# Altium PCB universky2.PcbDoc (continued)
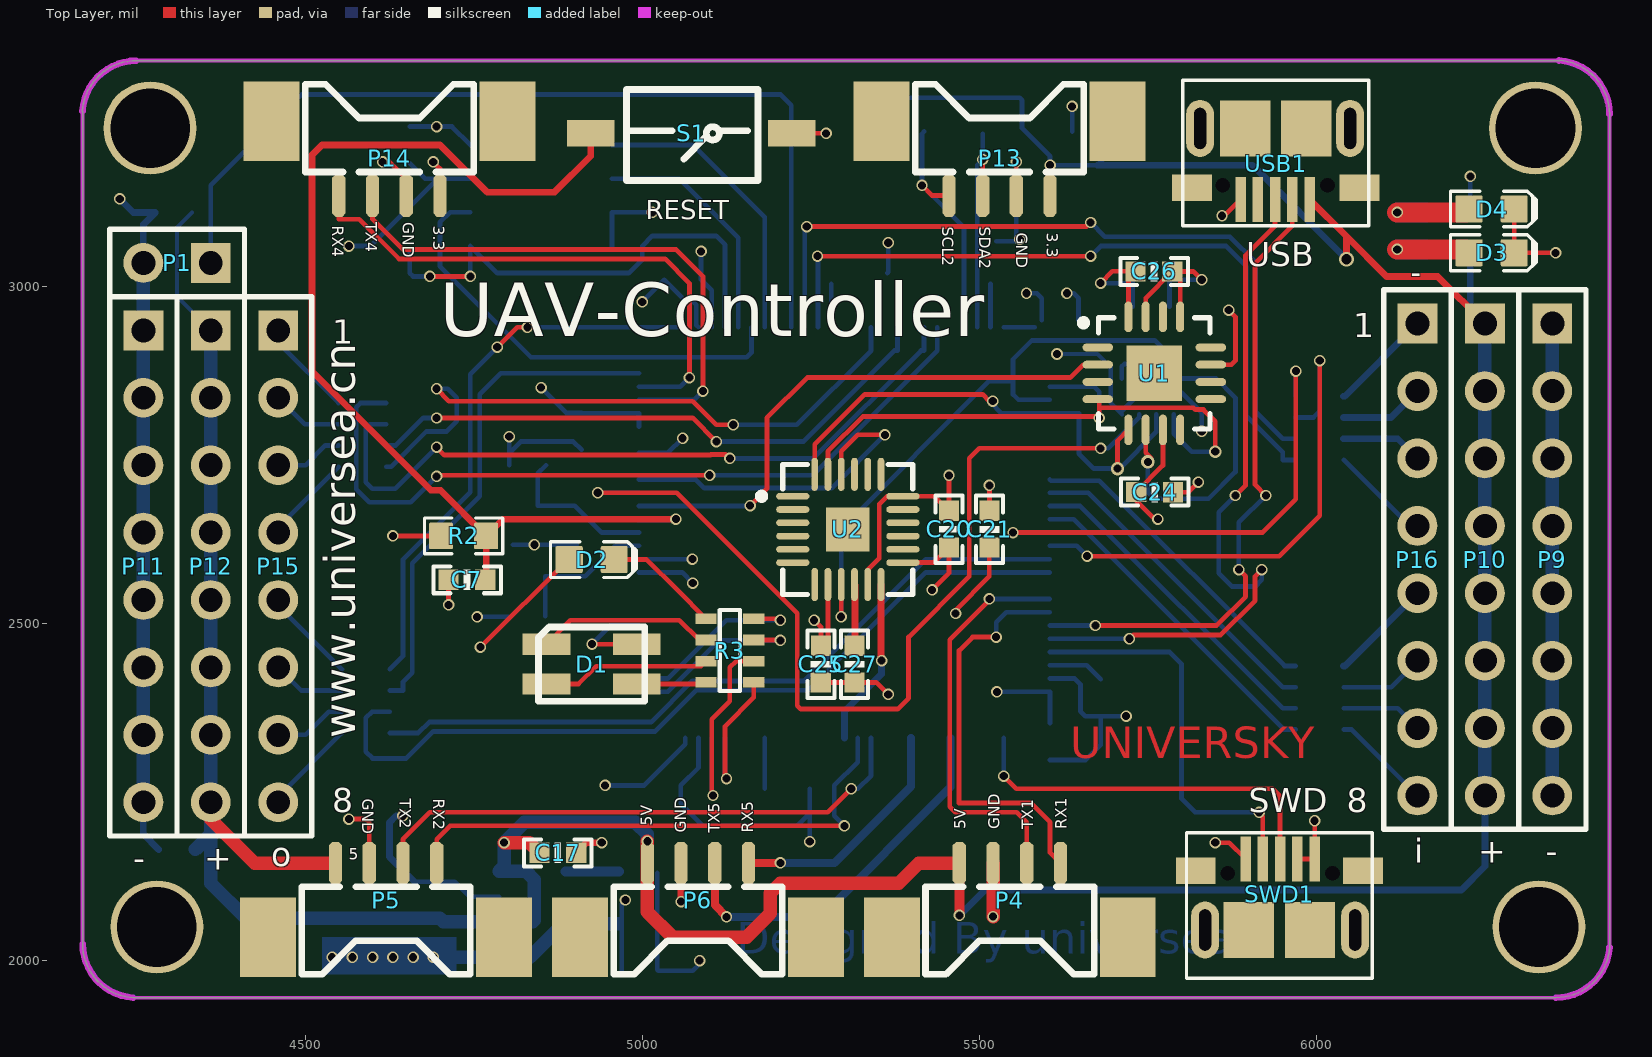
[diagram p0: Top Layer view]
## Footprints (in the part's own frame and the unit in brackets; to place one, negate y for a bottom-side part, rotate by r counter-clockwise, add the part's x,y. Pads: shape width x height; smd on the part's side, far side on the other; paste and mask are expansions set on the pad) (continued)
USB_M [mm]
  rect 1.7x0.4 smd: 1(4.085,-0.382) 2(4.085,-1.032) 3(4.085,-1.682) 4(4.085,-2.332) 5(4.085,-2.982)
  rect 2.1x1.9 smd: ""(1.409,-0.507) ""(1.409,-2.807)
  oval 2.15x1.05 hole 0.45 slot 1.55 at 0 deg: ""(1.409,1.143) ""(1.409,-4.507)
  rect 0x0 hole 0.55: ""(3.547,-3.657) ""(3.547,0.293)
  rect 1x1.5 smd: ""(3.647,-4.807) ""(3.647,1.493)
  silkscreen extent -0.4,-5.16 5.08,1.84
WDFN_8 [mm]
  rect 1.15x0.45 smd: 1(-2.667,1.651) 2(-2.667,0.381) 3(-2.667,-0.889) 4(-2.667,-2.159) 5(2.667,-2.159) 6(2.667,-0.889) 7(2.667,0.381) 8(2.667,1.651)
  rect 3.19x4.3 smd paste-1.595 mask+0: 9(0,-0.254)
  silkscreen extent -4.04,-3.07 3.56,2.49, body extent -2.92,-2.75 3.08,2.25, height 0.81
XTAL_3225 [mm]
  rrect50% 1x0.9 smd: 1(2.083,-0.051) 2(0,-0.025) 3(0,-1.727) 4(2.083,-1.727)
  silkscreen extent -0.84,-1.85 2.97,0.03

## Part data
B1: "MCU 32-Bit, ARM Cortex M4, 1MB Flash STMicroelectronics STM32F407VGT6, 32bit ARM Cortex M4F Microcontroller, 168MHz, 1024 kB Flash, 100-Pin LQFP"
B2: "LDO Regulator Pos 3.3V 0.5A MIC5219-3.3YM5 TR, Low Dropout Voltage Regulator, 0.5A, 3.3 V ??1%, 2.5 ??? 12 Vin, 5-Pin SOT-23"
C1 C2 C3 C4 C5 C6 C7 C8 C11 C12 C13 C14 C15 C16 C17 C18 C19 C20 C21 C22 C23 C24 C25 C26 C27 C28: "Capacitor"
C9 C10: library part CAP
D2 D3 D4: "Typical INFRARED GaAs LED"
P1: "Header, 2-Pin"
P2 P3 P7 P8 R3: library part "Header 4X2A", "Header, 4-Pin, Dual row"
P4 P5 P6 P13 P14: library part "Header 4", "Header, 4-Pin"
P9 P10 P11 P12 P15 P16: "Header, 8-Pin"
R1 R4 R5 R6 R7 R8 R9: "Resistor"
SWD1 USB1: "Header, 5-Pin"
Y1: "贴片有源晶振"

## Free pads (board coordinates)
  round 137.8 hole 118.11: 33(4270,3235) 33(4280,2050) 33(6325,3235) 33(6330,2050)

## Via types
v1: diameter 17, hole 12, Top Layer to Bottom Layer, 117 vias
v2: diameter 20, hole 12, Top Layer to Bottom Layer, 2 vias
v3: diameter 18, hole 12, Top Layer to Bottom Layer, 2 vias
v4: diameter 22, hole 15, Top Layer to Bottom Layer, 1 vias

## Nets (pads, with @x,y where several pads share a name; then routed paths per layer and width w, separated by ;. In a path a pad name is that pad's centre, name@x,y a point inside that pad or via, vN(x,y) a via of type N, cw(c..) or ccw(c..) an arc to the next point about the centre after c; other vN are vias at no path point)
3.3V: B1.6 B1.11 B1.19 B1.21 B1.22 B1.28 B1.50 B1.75 B1.100 B2.5 C2.2 C3.2 C4.2 C5.2 C6.2 C14.2 C15.2 C20.1 C21.1 C22.1 C23.1 C24.2 C25.2 C26.2 C28.1 D1.2 D2.1 P14.1 R2.2 R6.1 R9.2 SWD1.1 U1.7 U1.16 U2.8 U2.13 U3.6 U3.8 U4.3 U4.7 U4.8 | length 3216
  Top Layer w7: v1(4630,2630) R2.2 ; v1(4690,3185) 4700,3175 P14.1 ; v1(4760,2465) 4890,2595 D2.1 ; v1(4925.47,2469.53) D1.2 ; v1(5255,2505) 5265.03,2494.97 C25.2 ; C25.2@5275.47,2477.69 U2.8 ; U2.13 5432.69,2590.47 C20.1 5454.97,2574.97 v1(5430,2550) ; v1(5465,2515) 5465,2520 5514.97,2569.97 C21.1 ; v1(5680,3005) 5697.48,3022.48 C26.2 ; U1.16 C26.2@5721.17,3011.89 ; v1(5765,2655) 5760,2655 5732.75,2682.25 C24.2 5772.36,2734.64 U1.7 5772.36,2757.64 ; v1(5850,2175) 5870.85,2175 SWD1.1
  Bottom Layer w7: v1(4565,3060) 4596.54,3060 R9.2 4696.54,3160 ; C28.1 4677.78,3160 4696.54,3160 ; U4.3 4696.54,3160 ; v1(4850,2850) 4887.75,2812.25 C6.2 ; B2.5 C14.2@4966.93,2057.6 ; C6.2@4910.05,2812.17 B1.22 B1.21 ; v1(4925.47,2469.53) 4953.15,2497.2 B1.6 ; v1(4945,2260) C3.2 5063.78,2321 B1.100 ; U4.8 U4.7 v1(5015,3110) ; C15.2 C14.2 4969.56,2084.56 v1(4975,2090) ; B1.11 v1(5074.37,2595.63) ; B1.19 5038.11,2753.11 v1(5060,2775) ; v1(5087.25,3052.25) C4.2 5103.15,2994.13 B1.28 ; v1(5526.22,2398.78) B1.75 ; B1.50 C2.2@5582.43,2939.65 ; v1(5570,2990) 5585.5,2990 5592.75,2982.75 C2.2 ; C5.2 B1.75@5604.97,2398.46 ; v1(5680,3005) C22.1@5717.78,3005 ; U3.8 5711.49,2881.49 5715,2885 5760,2885 5762.67,2882.33 U3.6 5762.67,2857.33 5776.76,2843.24 5799.51,2843.24 5830,2812.75 v1(5830,2785) ; C23.1 C22.1 ; R6.1 v1(6228.46,3163.46)
  Bottom Layer w20: v1(4660,2005) 4833.43,2005 B2.5
  other v1: 4540,2005 4570,2005 4600,2005 4630,2005 4690,2005
5V: B2.1 B2.3 C12.2 C13.2 C16.1 C17.1 C18.1 C19.1 P4.1 P5.1 P6.1 P10.1 P10.2 P10.3 P10.4 P10.5 P10.6 P10.7 P10.8 P12.1 P12.2 P12.3 P12.4 P12.5 P12.6 P12.7 P12.8 P13.1 R5.1 R7.1 R8.1 USB1.1 | length 6048.1
  Top Layer w7: P13.1 v1(5605,3180)
  Top Layer w10: USB1.1 6044.58,3074.58 ; v4(6044.58,3040.42) 6044.58,3074.58 ; P10.1 6180,3015 6104.15,3015 6044.58,3074.58
  Top Layer w15: v1(5470.35,2067.1) P4.1
  Top Layer w20: P12.8 4360,2210 4425.31,2144.69 P5.1 ; v1(4795,2175) 4832.78,2175 C17.1 ; v1(5007.68,2177.18) P6.1 5007.68,2072.32 5045,2035 5155,2035 5190,2070 5190,2100 5205,2115 5380.62,2115 5410.31,2144.69 P4.1
  Bottom Layer w6: C16.1 4310,3087.78 4310,2985 P12.1
  Bottom Layer w7: R8.1 5351.54,3251.54 5380,3280 5560,3280 5563.46,3276.54 R7.1 5605,3193.46 v1(5605,3180) 5675,3180 5692.25,3197.25 C19.1
  Bottom Layer w10: v1(5470.35,2067.1) 5508.26,2105 6215,2105 6250,2140 P10.8 ; 5675,3180 5905,3180 v4(6044.58,3040.42) ; R5.1 6228.46,2951.54 P10.1@6250,2930
  Bottom Layer w20: C18.1 4360,2187.78 ; P12.1 P12.2 P12.3 P12.4 P12.5 P12.6 P12.7 P12.8 4360,2187.78 ; 4837.6,2057.6 B2.1 4705.15,2057.6 4700,2062.75 C12.2 4412.25,2062.75 4360,2115 4360,2187.78 ; 4840,2060 4840,2120 4827.6,2132.4 B2.3 4795,2139.8 v1(4795,2175) 4825,2205 4990,2205 5007.68,2187.32 v1(5007.68,2177.18) ; P10.8 P10.7 P10.6 P10.5 P10.4 P10.3 P10.2 P10.1@6250,2930
ADC_IN0/TIM5_CH1/USART4_TX: B1.23 P14.3 | length 830.3
  Top Layer w7: P14.3 4600,3100 4645,3055 5050,3055 5090,3015 v1(5090,2845)
  Bottom Layer w7: B1.23 5076.85,2831.85 v1(5090,2845)
ADC_IN1/TIM5_CH2/USART4_RX: B1.24 P14.4 | length 814.6
  Top Layer w7: P14.4 4550,3100 4580.2,3100 4639.2,3041 5034,3041 5070,3005 v1(5070,2865)
  Bottom Layer w7: B1.24 5056.54,2851.54 v1(5070,2865)
AGND: B1.20
BOOT0: B1.94 R1.1 | length 75
  Bottom Layer w7: R1.1@5181.89,2255.35 B1.94
BOOT1: B1.37 R4.2 | length 64.1
  Bottom Layer w7: B1.37 R4.2@5280.31,3003.78
DRDY: U1.10
GND: B1.10 B1.27 B1.74 B1.99 B2.2 C1.2 C2.1 C3.1 C4.1 C5.1 C6.1 C7.2 C8.1 C9.2 C10.1 C11.2 C12.1 C13.1 C14.1 C15.1 C16.2 C17.2 C18.2 C19.2 C20.2 C21.2 C22.2 C23.2 C24.1 C25.1 C26.1 C27.1 C28.2 D3.2 D4.2 P1.2 P4.2 P5.2 P6.2 P9.1 P9.2 P9.3 P9.4 P9.5 P9.6 P9.7 P9.8 P11.1 P11.2 P11.3 P11.4 P11.5 P11.6 P11.7 P11.8 P13.2 P14.2 R1.2 R4.1 S1.1 SWD1.4 SWD1.5 U1.11 U1.13 U1.15 U2.11 U2.18 U3.1 U3.7 U4.4 USB1.5 Y1.2 Y1.4 | length 6288.5
  Top Layer w7: v1(4565,2210) 4590,2210 4595,2205 P5.2 ; v1(4615,3185) 4625,3185 4650,3160 P14.2 ; v1(4712.75,2527.75) C7.2 ; S1.1 v1(5272.8,3227.2) ; C25.1 C27.1 5347.25,2412.75 v1(5365,2395) ; U2.11 5334.53,2579.8 5347.82,2593.1 5348.1,2593.1 5351.59,2596.59 5351.59,2677.26 5363.23,2688.9 U2.18 5433.38,2688.9 C20.2 v1(5455.03,2719.97) ; C21.2 v1(5515.03,2704.97) ; P13.2 v1(5555,3185) ; U1.15 5746.76,2982.92 C26.1 5817.59,3022.41 v1(5830,3010) ; C24.1 5809.97,2694.97 v1(5825,2710) ; U1.13 C26.1@5797.95,3010.73 ; U1.11 5874.03,2884.03 5880,2890 5880,2955 v1(5870,2965) ; v1(5860,3105) 5863.41,3105 USB1.5 ; SWD1.4 SWD1.5 v1(5997.4,2207.6) ; D4.2 D3.2 v1(6355,3050)
  Top Layer w10: C17.2 4917.28,2175 v1(4940,2175) ; v1(5057.68,2087.68) P6.2
  Top Layer w20: v1(5520.35,2065.35) P4.2
  Bottom Layer w6: v3(5615,2900) 5675,2900 5695,2880 5695,2826.93 U3.1
  Bottom Layer w7: C28.2 4717.75,3237.25 U4.4 ; C12.1 C13.1 4744.03,2095 B2.2 ; v1(4755.03,2509.97) C9.2 ; C10.1 4802.75,2752.75 ; v1(4802.75,2777.25) 4802.75,2752.75 ; Y1.2@4808.23,2617.02 Y1.4 ; C6.1 4897.78,2770 4820,2770 4802.75,2752.75 ; B1.10 5059.06,2575.94 v1(5075,2560) ; v1(5000,2977.22) C4.1 ; C11.2 5022.25,1986.84 C15.1 5074.97,1985.03 5085,1995.06 v1(5085,2000) ; C4.1@5030,3007.22 C4.1 ; B1.99 5083.46,2286.25 C3.1 5057.25,2232.75 5090,2200 5230,2200 5248.46,2218.46 ; B1.27 5080.19,2942.92 5080.19,2973.03 5074.03,2979.18 5063.54,2979.18 C4.1 ; v1(5248.46,2176.54) 5248.46,2218.46 ; R1.2 5248.46,2218.46 ; R4.1 5365,3021.54 v1(5365,3065) ; C8.1 5557.75,3067.25 5560,3069.5 v1(5560,3070) ; v1@5555,3070 v1(5555,3185) ; B1.74 5641.54,2418.46 5650,2410 5650,2370.03 5657.28,2362.75 C1.2 ; C5.1 5657.75,2297.75 5680.03,2320.03 C1.2 ; v1(5630,2990) 5640,2990 5647.25,2982.75 C2.1 ; C19.2 v1(5637.75,3267.25) ; U3.1@5711.49,2815.01 5737.08,2840.6 U3.7 ; v1(5717.75,2362.75) C1.2 ; U3.7@5737.08,2857.59 U3.7 ; U3.7@5737.08,2859.01 U3.7 ; C23.2 C22.2 C22.2@5787.28,3015.03 ; C22.2@5787.28,3010 v1(5830,3010) 5802.21,3010
  Bottom Layer w10: v1(4225,3130) 4245.03,3109.97 C16.2 4260,3092.22 P1.2 P1.2@4260,3025 ; P11.8 4260,2187.72 C18.2 ; P11.7 P11.6 P11.5 P11.4 P11.3 P11.2 P11.1 ; v1(4645,2215) 4635,2215 4625,2205 4625,2154.03 C12.1
  Bottom Layer w20: P11.8 P11.7 P11.6 P11.5 P11.4 P11.3 P11.2 P11.1 P1.2@4260,3025 ; P9.8 P9.7 P9.6 P9.5 P9.4 P9.3 P9.2 P9.1
  other v1: 4840,2617.02 4695,3237.25
I2C1_SCL: B1.92
I2C1_SDA: B1.93
MPU_INT: B1.88 U2.12 | length 250.7
  Top Layer w10: v1@5354.21,2445.79 U2.12
  Bottom Layer w10: B1.88 5300,2370 5355,2425 v1(5355,2445) v1@5354.21,2445.79
NetB1_14: B1.14 C7.1 R2.1 S1.2 | length 1595.2
  Top Layer w10: C7.1@4768.46,2566.18 R2.1 ; S1.2 4923.7,3193.7 4870,3140 4770,3140 4700,3210 4525,3210 4510,3195 4510,2874.34 4686.51,2697.83 4700.63,2697.83 R2.1 ; v1@5050,2654.69 4793.15,2654.69 R2.1
  Bottom Layer w10: B1.14 v1@5050,2654.69
  other v1: 5050,2655
NetB1_49: B1.49 C8.2 | length 64.6
  Bottom Layer w7: B1.49 C8.2@5516.54,3004.25
NetB1_73: B1.73 C1.1 | length 84
  Bottom Layer w7: B1.73 5659.07,2438.15 C1.1
NetB2_4: B2.4 C11.1 | length 79.3
  Bottom Layer w15: B2.4 C11.1@4965.32,2132.4
NetC27_2: C27.2 U2.10 | length 90.5
  Top Layer w10: U2.10 5315.66,2557.18 C27.2@5315.66,2467.88
NetD1_1: D1.1 R3.7 | length 263.3
  Top Layer w7: D1.1 4893.54,2505 5055,2505 5084.25,2475.75 R3.7
NetD1_3: D1.3 R3.6 | length 250.5
  Top Layer w7: D1.3 4905.47,2410.47 4931.72,2436.72 5087.03,2436.72 R3.6
NetD1_4: D1.4 R3.5 | length 103.6
  Top Layer w7: D1.4 5092.28,2410.47 R3.5
NetD2_2: D2.2 R3.8 | length 172.5
  Top Layer w7: D2.2 5006.81,2595 5051.81,2550 R3.8
NetD3_1: D3.1 R5.2 | length 143.1
  Top Layer w30: v1(6120,3055) D3.1@6221.54,3055
  Bottom Layer w30: v1(6120,3055) R5.2
NetD4_1: D4.1 R6.2 | length 143.1
  Top Layer w30: v1(6120,3110) D4.1@6221.54,3110
  Bottom Layer w30: v1(6120,3110) R6.2
OTG_FS_DM: B1.70 USB1.2 | length 947.5
  Top Layer w7: v1(5672.2,2497.2) 5852.2,2497.2 5895,2540 5895,2570 v1(5885,2580) ; v1(5925,2690) 5909,2706 5909,3034.63 5964.37,3090 USB1.2
  Bottom Layer w7: B1.70 v1(5672.2,2497.2) ; v1(5885,2580) 5885,2650 v1(5925,2690)
OTG_FS_DP: B1.71 USB1.3 | length 1058.1
  Top Layer w7: v1(5722.52,2477.52) 5728.2,2483.2 5858,2483.2 5909,2534.2 5909,2570 v1(5919,2580) ; v1(5880,2690) 5895,2705 5895,3046.22 5938.78,3090 USB1.3
  Bottom Layer w7: B1.71 v1(5722.52,2477.52) ; v1(5880,2690) 5855,2665 5855,2575 5875,2555 5909,2555 5919,2565 v1(5919,2580)
PA8: B1.67
PC3: B1.18
PC4: B1.33
PC5_POWER_INPUT: B1.34 P1.1 | length 1368
  Bottom Layer w7: P1.1 4360,3150 4495,3285 5205,3285 5221.26,3268.74 B1.34
PD8: B1.55
PD9: B1.56
PD10: B1.57
PD11: B1.58
PE0: B1.97 R3.1 | length 220.8
  Top Layer w7: v1@5122.83,2270 5122.83,2347.83 5165.43,2390.43 R3.1
  Bottom Layer w7: v1@5122.83,2270 B1.97
  other v1: 5125,2270
PE1: B1.98 R3.2 | length 325.7
  Top Layer w7: v1@5103.15,2245 5103.15,2358.15 5130,2385 5130,2435 5139.25,2444.25 R3.2
  Bottom Layer w7: v1@5103.15,2245 B1.98
  other v1: 5105,2245
PE2: B1.1 R3.3 | length 270
  Top Layer w7: R3.3 v1@5204.25,2475.75
  Bottom Layer w7: B1.1 5038.18,2398.78 5114.4,2475 5195,2475
  other v1: 5205,2475
PE3: B1.2 R3.4 | length 272.8
  Top Layer w7: R3.4 v1@5202.76,2507.24
  Bottom Layer w7: B1.2 5038.07,2418.46 5124.6,2505 5195,2505
  other v1: 5205,2505
PE4: B1.3
PE7: B1.38
PE8: B1.39
PE10: B1.41
PE12: B1.43
PH0_OSC_IN: B1.12 C9.1 Y1.1 | length 217
  Bottom Layer w7: C9.1@4856.31,2510.97 Y1.1 4915.35,2570.35 4960.32,2615.32 B1.12
PH1_OSC_OUT: B1.13 C10.2 Y1.3 | length 232
  Bottom Layer w7: C10.2 4845,2722.78 Y1.3 4900,2675 4940,2635 B1.13
PWMIN_1: P8.8 P16.1 | length 154.2
  Bottom Layer w10: P8.8 6042.24,2837.24 P16.1
PWMIN_2: P8.7 P16.2 | length 125.8
  Bottom Layer w10: P8.7 6110.75,2805.75 P16.2
PWMIN_3: P8.6 P16.3 | length 121.7
  Bottom Layer w10: P8.6 6120.75,2774.25 P16.3
PWMIN_4: P8.5 P16.4 | length 150.1
  Bottom Layer w7: P8.5 6138.19,2645 P16.4
PWMIN_5: P3.8 P16.5 | length 154.2
  Bottom Layer w10: P3.8 6042.24,2437.24 P16.5
PWMIN_6: P3.7 P16.6 | length 125.8
  Bottom Layer w7: P3.7 6110.75,2405.75 P16.6
PWMIN_7: P3.6 P16.7 | length 121.7
  Bottom Layer w7: P3.6 6120.75,2374.25 P16.7
PWMIN_8: P3.5 P16.8 | length 150.1
  Bottom Layer w7: P3.5 6052.24,2342.76 P16.8
PWMOUT_1: P2.5 P15.1 | length 144.9
  Bottom Layer w7: P15.1 4460,2916.81 P2.5
PWMOUT_2: P2.6 P15.2 | length 105.8
  Bottom Layer w7: P15.2 4499.25,2795.75 P2.6
PWMOUT_3: P2.7 P15.3 | length 101.7
  Bottom Layer w7: P15.3 4500.75,2735 4530,2764.25 P2.7
PWMOUT_4: P2.8 P15.4 | length 134.9
  Bottom Layer w7: P15.4 4460,2643.19 P2.8
PWMOUT_5: P7.5 P15.5 | length 141.9
  Bottom Layer w7: P15.5 4460,2526.81 P7.5
PWMOUT_6: P7.6 P15.6 | length 108.8
  Bottom Layer w7: P15.6 4494.25,2400.75 P7.6
PWMOUT_7: P7.7 P15.7 | length 108.8
  Bottom Layer w7: P15.7 4500.75,2335 4535,2369.25 P7.7
PWMOUT_8: P7.8 P15.8 | length 141.9
  Bottom Layer w7: P15.8 4460,2243.19 P7.8
SPI1_MISO: B1.31 U4.2 | length 674.8
  Bottom Layer w7: U4.2 4715,3110 4700,3095 4700,3030 4835,2895 5155,2895 5162.2,2902.2 B1.31
SPI1_MOSI: B1.32 U4.5 | length 434.6
  Bottom Layer w7: U4.5 5075,3210 5181.89,3103.11 B1.32
SPI1_NSS: B1.29 R9.1 U4.1 | length 725.3
  Top Layer w7: v1(4685,3015) v1(4745,3015)
  Bottom Layer w7: R9.1 4655,3020 4660,3015 v1(4685,3015) ; v1(4745,3015) U4.1 4785,3020 4980,3020 5000,3040 5000,3060 5015,3075 5110,3075 5122.83,3062.17 B1.29
SPI1_SCK: B1.30 U4.6 | length 356.6
  Bottom Layer w7: U4.6 5055,3160 5142.52,3072.48 B1.30
SPI2_CS1: B1.17 U2.22 | length 511.7
  Top Layer w7: U2.22 5295.16,2755.36 5319.8,2780 v1(5360,2780)
  Bottom Layer w7: B1.17 5079.39,2713.74 5092.13,2701 5185,2701 5281,2701 v1(5360,2780)
SPI2_CS2: B1.15 U1.2 | length 828.7
  Top Layer w7: v1(5160,2675) 5185,2700 5185,2805 5245,2865 5635,2865 5654.03,2884.03 U1.2
  Bottom Layer w7: B1.15 5159.37,2674.37 v1(5160,2675)
SPI2_CS3: B1.16 U3.2 | length 1416.7
  Top Layer w7: v1(4934.06,2694.06) 5050.94,2694.06 5230,2515 5230,2378.19 5235,2373.19 5378.78,2373.19 5395,2389.41 5395,2480 5485,2570 5485,2745 5500,2760 v1(5680,2760)
  Bottom Layer w7: v1(4934.06,2694.06) B1.16 ; v1(5680,2760) 5691.23,2760 5737.08,2805.86 U3.2
SPI2_MISO: B1.53 U1.6 U2.9 U3.5 | length 1446.9
  Top Layer w6: U1.6 U1.6@5746.76,2806.76
  Top Layer w7: v1(5295.16,2510.16) U2.9 ; U1.6 5746.76,2753.24 5755,2745 v2(5750,2740) ; v2(5750,2740) 5754.67,2735.33 5755,2735.67 5755,2740 5750,2745 v2(5750,2740)
  Bottom Layer w7: v1(5295.16,2510.16) 5295.16,2640.16 5515,2860 5550,2860 ; B1.53 5558.15,2831.85 5550,2840 5550,2860 ; v2@5755,2745 v2(5750,2740) ; 5550,2860 5550,2891.81 5578.19,2920 5760,2920 5790,2890 5790,2865.32 U3.5 5851.41,2863.59 5880,2835 5880,2725 5840,2685 5760,2685 5750,2695 v2(5750,2740) ; v2(5750,2740) 5750,2745 v2(5750,2740)
SPI2_MOSI: B1.54 U1.5 U2.24 U3.3 | length 782.1
  Top Layer w7: U2.24 5255.79,2765.79 5330,2840 5505,2840 5515,2830 v1(5520,2830) ; v2(5705,2730) 5705,2771.25 U1.5
  Bottom Layer w7: v1(5520,2830) 5515,2830 5517.5,2827.5 5532.83,2812.17 B1.54 5647.83,2812.17 5647.83,2752.17 5670,2730 v2(5705,2730) ; v2@5708.38,2730 5762.67,2784.29 U3.3
SPI2_NSS: B1.51
SPI2_SCK: B1.52 U1.4 U2.23 U3.4 | length 929.8
  Top Layer w7: U2.23 5275.47,2755.47 5327.13,2807.13 5675.74,2807.13 v1(5677.87,2805) 5677.87,2820 ; U1.4 5677.87,2830.73 5677.87,2820 ; v3(5850,2755) 5850,2800 5832.55,2817.45 5820.26,2817.45 5817.71,2820 5677.87,2820
  Bottom Layer w7: B1.52 5670.39,2851.54 5677.87,2844.06 v1(5677.87,2805) ; U3.4 5788.27,2781.73 5815,2755 v3(5850,2755)
SWCLK: B1.76 SWD1.3 | length 572
  Top Layer w7: v1(5536.22,2273.78) 5555,2255 5935,2255 5946.22,2243.78 SWD1.3
  Bottom Layer w7: v1(5536.22,2273.78) B1.76
SWDIO: B1.72 SWD1.2 | length 597.5
  Top Layer w7: v1(5915,2220) 5920.63,2214.37 SWD1.2
  Bottom Layer w7: B1.72 5782.17,2457.83 5800,2440 5800,2240 5820,2220 v1(5915,2220)
TIM1_CH1: B1.40 P2.4 | length 949.6
  Top Layer w7: v1(4695,2848.33) 4713.33,2830 5075,2830 5110,2795 v1(5135,2795)
  Bottom Layer w7: P2.4 4627.76,2732.76 4680,2785 4710,2785 4725,2800 4725,2835 4711.67,2848.33 v1(4695,2848.33) ; v1(5135,2795) 5229.37,2795 5339.37,2905 B1.40
TIM1_CH2: B1.42 P2.3 | length 880.2
  Top Layer w7: v1(4695,2805) 5075,2805 v1(5110,2770)
  Bottom Layer w7: P2.3 4634.25,2764.25 4675,2805 v1(4695,2805) ; v1(5110,2770) 5239.2,2770 5374.2,2905 5378.74,2905 B1.42
TIM1_CH3: B1.44 P2.2 | length 1079.6
  Top Layer w7: v1(4695,2761.67) 4706.67,2750 5101.13,2750 5102.13,2751 5124,2751 v1(5130,2745)
  Bottom Layer w7: P2.2 4595.75,2795.75 4589.81,2789.81 4589.81,2709.81 4599.63,2700 4633.33,2700 v1(4695,2761.67) ; v1(5130,2745) 5253.57,2745 5413.57,2905 5418.11,2905 B1.44
TIM1_CH4: B1.45 P2.1 | length 1166.8
  Top Layer w7: v1(4695,2718.33) 4696.67,2720 v1(5100,2720)
  Bottom Layer w7: P2.1 4582.24,2827.24 4575.81,2820.81 4575.81,2699.19 4595,2680 4656.67,2680 v1(4695,2718.33) ; v1(5100,2720) 5252.91,2720 5437.8,2904.89 B1.45
TIM2_CH2: B1.89
TIM3_CH1: B1.63 P8.4 | length 722.1
  Top Layer w7: v1(5550,2635) 5920,2635 5969.57,2684.57 v1(5969.57,2874.57)
  Bottom Layer w7: v1(5550,2635) B1.63 ; P8.4 v1(5969.57,2874.57)
TIM3_CH2: B1.64 P8.3 | length 775.8
  Top Layer w7: v1(5660,2600) 5945,2600 6005,2660 v1(6005,2890)
  Bottom Layer w7: B1.64 5644.68,2615.32 v1(5660,2600) ; P8.3 5995.75,2805.75 6005,2815 v1(6005,2890)
TIM3_CH3: B1.35 P8.2 | length 1141.3
  Top Layer w7: v1(5244,3089) 5580,3089 5659,3089 v1(5665,3095)
  Bottom Layer w7: B1.35 5240.94,3085.94 v1(5244,3089) ; v1(5665,3095) 5686,3074 5871.8,3074 5910,3035.8 5910,2814.25 5950,2774.25 P8.2
TIM3_CH4: B1.36 P8.1 | length 1098.5
  Top Layer w7: v1(5260,3045) 5600,3045 ; 5590,3045 5600,3045 ; v1(5665,3045) 5600,3045
  Bottom Layer w7: B1.36 v1@5260.63,3044.37 ; v1(5665,3045) 5680,3060 5866,3060 5896,3030 5896,2808.45 5950,2754.45 5950,2742.76 P8.1
TIM4_CH1: B1.59 P3.4 | length 479.4
  Bottom Layer w7: B1.59 5606.39,2712 5678,2712 5952.76,2437.24 P3.4
TIM4_CH2: B1.60 P3.3 | length 484.3
  Bottom Layer w7: B1.60 5661.69,2694.06 5950,2405.75 P3.3
TIM4_CH3: B1.61 P3.2 | length 489.2
  Bottom Layer w7: B1.61 5649.88,2674.37 5950,2374.25 P3.2
TIM4_CH4: B1.62 P3.1 | length 495.3
  Bottom Layer w7: B1.62 5640,2654.69 5950,2344.69 5950,2342.76 P3.1
TIM5_CH3: B1.25 P7.2 | length 755.3
  Bottom Layer w7: P7.2 4645,2400.75 4645,2413.34 4659,2427.34 4659,2589.2 4759,2689.2 4759,2840 4790.22,2871.22 B1.25
TIM5_CH4: B1.26 P7.1 | length 834.9
  Top Layer w7: v1(4785,2910) 4814.65,2939.65 v1(4829.65,2939.65)
  Bottom Layer w7: P7.1 4645,2451.81 4645,2595 4745,2695 4745,2870 v1(4785,2910) ; v1(4829.65,2939.65) B1.26
TIM8_CH3: B1.65 P7.4 | length 1086
  Bottom Layer w7: P7.4 4667.96,2337.76 4684.2,2354 5013.2,2354 5074.2,2415 5240.11,2415 5420.74,2595.63 B1.65
TIM8_CH4: B1.66 P7.3 | length 1222.4
  Bottom Layer w7: P7.3 4599.25,2369.25 4590,2360 4590,2310 4600,2300 4650,2300 4690,2340 5019,2340 5080,2401 5245.91,2401 5420.86,2575.94 B1.66
TIM9_CH1: B1.4
TIM9_CH2: B1.5
USART1_RX: B1.69 P4.4 | length 610.7
  Top Layer w7: v1(5525,2480) 5490,2480 5470,2460 5470,2234 5576,2234 5605,2205 5605,2160.04 P4.4
  Bottom Layer w7: v1(5525,2480) 5525,2501.89 5540,2516.89 B1.69
USART1_TX: B1.68 P4.3 | length 606.7
  Top Layer w7: v1(5515,2536.57) 5515,2534.8 5456,2475.8 5456,2228.2 5464.2,2220 5555.35,2220 5570.35,2205 P4.3
  Bottom Layer w7: v1(5515,2536.57) B1.68
USART2_RX: B1.87 P5.4 | length 799.5
  Top Layer w7: P5.4 4695,2180 4715,2200 v1(5300,2200)
  Bottom Layer w7: v1(5300,2200) 5285,2215 5285,2260 5319.68,2294.68 B1.87
USART2_TX: B1.86 P5.3 | length 824.8
  Top Layer w7: P5.3 4645,2180 4685,2220 5275,2220 v1(5310,2255)
  Bottom Layer w7: v1(5310,2255) 5320,2255 5339.37,2274.37 B1.86
USART3_RX/SDA2: B1.48 P13.3 R7.2 | length 343.7
  Top Layer w7: P13.3 v1(5505,3188.43)
  Bottom Layer w7: B1.48 5496.85,3180.28 v1(5505,3188.43) R7.2@5505,3226.54
USART3_TX/SCL2: B1.47 P13.4 R8.2 | length 368.7
  Top Layer w7: v1(5415,3150) 5430,3135 P13.4
  Bottom Layer w7: v1@5418.46,3153.46 v1(5415,3150) ; R8.2 5415,3226.54 v1(5415,3150) ; B1.47 5477.17,3087.83 v1(5415,3150)
USART5_RX: B1.83 P6.4 | length 369.3
  Top Layer w12: P6.4 v1@5204.69,2144.69
  Bottom Layer w12: v1(5205,2145) 5245,2145 ; 5235,2145 5245,2145 ; B1.83 5398.43,2258.43 5285,2145 5245,2145
USART5_TX: B1.80 P6.3 | length 571.9
  Top Layer w12: P6.3 5107.68,2082.32 v1(5125,2065)
  Bottom Layer w12: v1(5125,2065) 5265,2065 5457.48,2257.48 B1.80
pads on no net: B1.7 B1.8 B1.9 B1.46 B1.77 B1.78 B1.79 B1.81 B1.82 B1.84 B1.85 B1.90 B1.91 B1.95 B1.96 P4.5 P4.6 P5.5 P5.6 P6.5 P6.6 P13.5 P13.6 P14.5 P14.6 SWD1. U1.1 U1.3 U1.8 U1.9 U1.12 U1.14 U1.17 U2.1 U2.2 U2.3 U2.4 U2.5 U2.6 U2.7 U2.14 U2.15 U2.16 U2.17 U2.19 U2.20 U2.21 U2.25 U4.9 USB1. USB1.4

## Polygon pours and split planes (outlines as drawn)
GND on GND (split plane): 6368.27,3314.11 6374.74,3312.25 6380.95,3309.67 6386.84,3306.42 6392.33,3302.52 6397.35,3298.04 6401.83,3293.02 6405.72,3287.54 6408.98,3281.65 6411.55,3275.43 6413.41,3268.97 6414.54,3262.34 6414.88,3256.21 6414.83,3255.62 6414.9,3254.83 6414.9,2020.58 6414.78,2018.39 6413.65,2011.76 6411.79,2005.29 6409.22,1999.08 6405.96,1993.19 6402.07,1987.7 6397.59,1982.68 6392.57,1978.2 6387.08,1974.31 6381.19,1971.05 6374.98,1968.48 6368.51,1966.62 6361.88,1965.49 6355.75,1965.14 6355.16,1965.2 6354.08,1965.1 4246.55,1965.1 4246.17,1965.13 4246.18,1965.22 4243.28,1965.38 4236.65,1966.51 4230.19,1968.37 4223.97,1970.95 4218.08,1974.2 4212.59,1978.09 4207.58,1982.58 4203.09,1987.59 4199.2,1993.08 4195.95,1998.97 4193.37,2005.19 4191.51,2011.65 4190.38,2018.28 4190.04,2024.41 4190.1,2025 4190.1,3260.03 4189.97,3261.31 4189.87,3262.28 4190.89,3268.27 4192.75,3274.74 4195.33,3280.95 4198.58,3286.84 4202.48,3292.33 4206.96,3297.35 4211.98,3301.83 4217.46,3305.72 4223.35,3308.98 4229.57,3311.55 4236.03,3313.41 4242.66,3314.54 4248.79,3314.88 4249.38,3314.83 4250.17,3314.9 6360.03,3314.9 6362.28,3315.13
3.3V on 3.3V (split plane): 6368.27,3314.11 6374.74,3312.25 6380.95,3309.67 6386.84,3306.42 6392.33,3302.52 6397.35,3298.04 6401.83,3293.02 6405.72,3287.54 6408.98,3281.65 6411.55,3275.43 6413.41,3268.97 6414.54,3262.34 6414.88,3256.21 6414.83,3255.62 6414.9,3254.83 6414.9,2020.58 6414.78,2018.39 6413.65,2011.76 6411.79,2005.29 6409.22,1999.08 6405.96,1993.19 6402.07,1987.7 6397.59,1982.68 6392.57,1978.2 6387.08,1974.31 6381.19,1971.05 6374.98,1968.48 6368.51,1966.62 6361.88,1965.49 6355.75,1965.14 6355.16,1965.2 6354.08,1965.1 4246.55,1965.1 4246.17,1965.13 4246.18,1965.22 4243.28,1965.38 4236.65,1966.51 4230.19,1968.37 4223.97,1970.95 4218.08,1974.2 4212.59,1978.09 4207.58,1982.58 4203.09,1987.59 4199.2,1993.08 4195.95,1998.97 4193.37,2005.19 4191.51,2011.65 4190.38,2018.28 4190.04,2024.41 4190.1,2025 4190.1,3260.03 4189.97,3261.31 4189.87,3262.28 4190.89,3268.27 4192.75,3274.74 4195.33,3280.95 4198.58,3286.84 4202.48,3292.33 4206.96,3297.35 4211.98,3301.83 4217.46,3305.72 4223.35,3308.98 4229.57,3311.55 4236.03,3313.41 4242.66,3314.54 4248.79,3314.88 4249.38,3314.83 4250.17,3314.9 6360.03,3314.9 6362.28,3315.13

## Keep-outs
Keep-Out Layer:
  lines w5.91: 4170,2025 4170,3260.03 ; 4244.89,1945 6355.16,1945 ; 4249.38,3335 6360.03,3335 ; 6435,2020 6435,3255.62
  lines w10: 4169.55,3260.03 cw(c4249.38,3254.92) 4249.38,3334.92 ; 4170,2025 ccw(c4250,2025) 4244.89,1945.16 ; 6355.16,1945.11 ccw(c6355.16,2025.11) 6435,2020 ; 6360.03,3335.45 cw(c6354.92,3255.62) 6434.92,3255.62

## Other copper
Top Layer:
  text "UNIVERSKY" at 5635,2285 h80
Bottom Layer:
  rectangle net 3.3V: 4525,1979.69 4724.27,2035
  rectangle net 3.3V: 4900,2045 4969.56,2065
  text "Designed By universea" at 5140,1995 h80

## Silkscreen, mask and mechanical layers (free items; w line width, h text height)
Top Overlay:
  text "RESET" at 5005,3100 h28
  text "TX4" at 4590,3095 h17 r270
  text "GND" at 4645,3095 h17 r270
  text "RX4" at 4540,3090 h17 r270
  text "3.3" at 4690,3090 h17 r270
  text "SCL2" at 5445,3089 h17 r270
  text "SDA2" at 5500,3089 h17 r270
  text "GND" at 5555,3080 h17 r270
  text "3.3" at 5600,3080 h17 r270
  text "USB" at 5896,3030 h36
  text "-" at 6140,3005 h31.5
  text "1" at 6055,2925 h36
  text "1" at 4540,2915 h36
  text "UAV-Controller" at 4700,2900 h136
  text "www.universea.cn" at 4590,2330 h80 r90
  text "GND" at 4585,2240 h17 r270
  text "TX2" at 4640,2240 h17 r270
  text "RX2" at 4690,2240 h17 r270
  text "8" at 4540,2220 h36
  text "SWD" at 5900,2220 h36
  text "8" at 6045,2220 h36
  text "5V" at 5015,2200 h17 r90
  text "5V" at 5480,2195 h17 r90
  text "GND" at 5530,2195 h17 r90
  text "TX1" at 5580,2195 h17 r90
  text "RX1" at 5630,2195 h17 r90
  text "GND" at 5065,2190 h17 r90
  text "TX5" at 5115,2190 h17 r90
  text "RX5" at 5165,2190 h17 r90
  text "5" at 4565,2150 h17
  text "i" at 6145,2145 h36
  text "+" at 6240,2145 h36
  text "-" at 6340,2145 h36
  text "o" at 4450,2140 h36
  text "-" at 4245,2135 h36
  text "+" at 4350,2135 h36
Top Solder:
  text "UNIVERSKY" at 5635,2285 h80
Bottom Solder:
  text "Designed By universea" at 5140,1995 h80